# Allegro board RK3588S_Template_LP4XD200P232SD8H2_31X31_2133MHz_H1R6_V11_20220218YWQ.brd (continued)
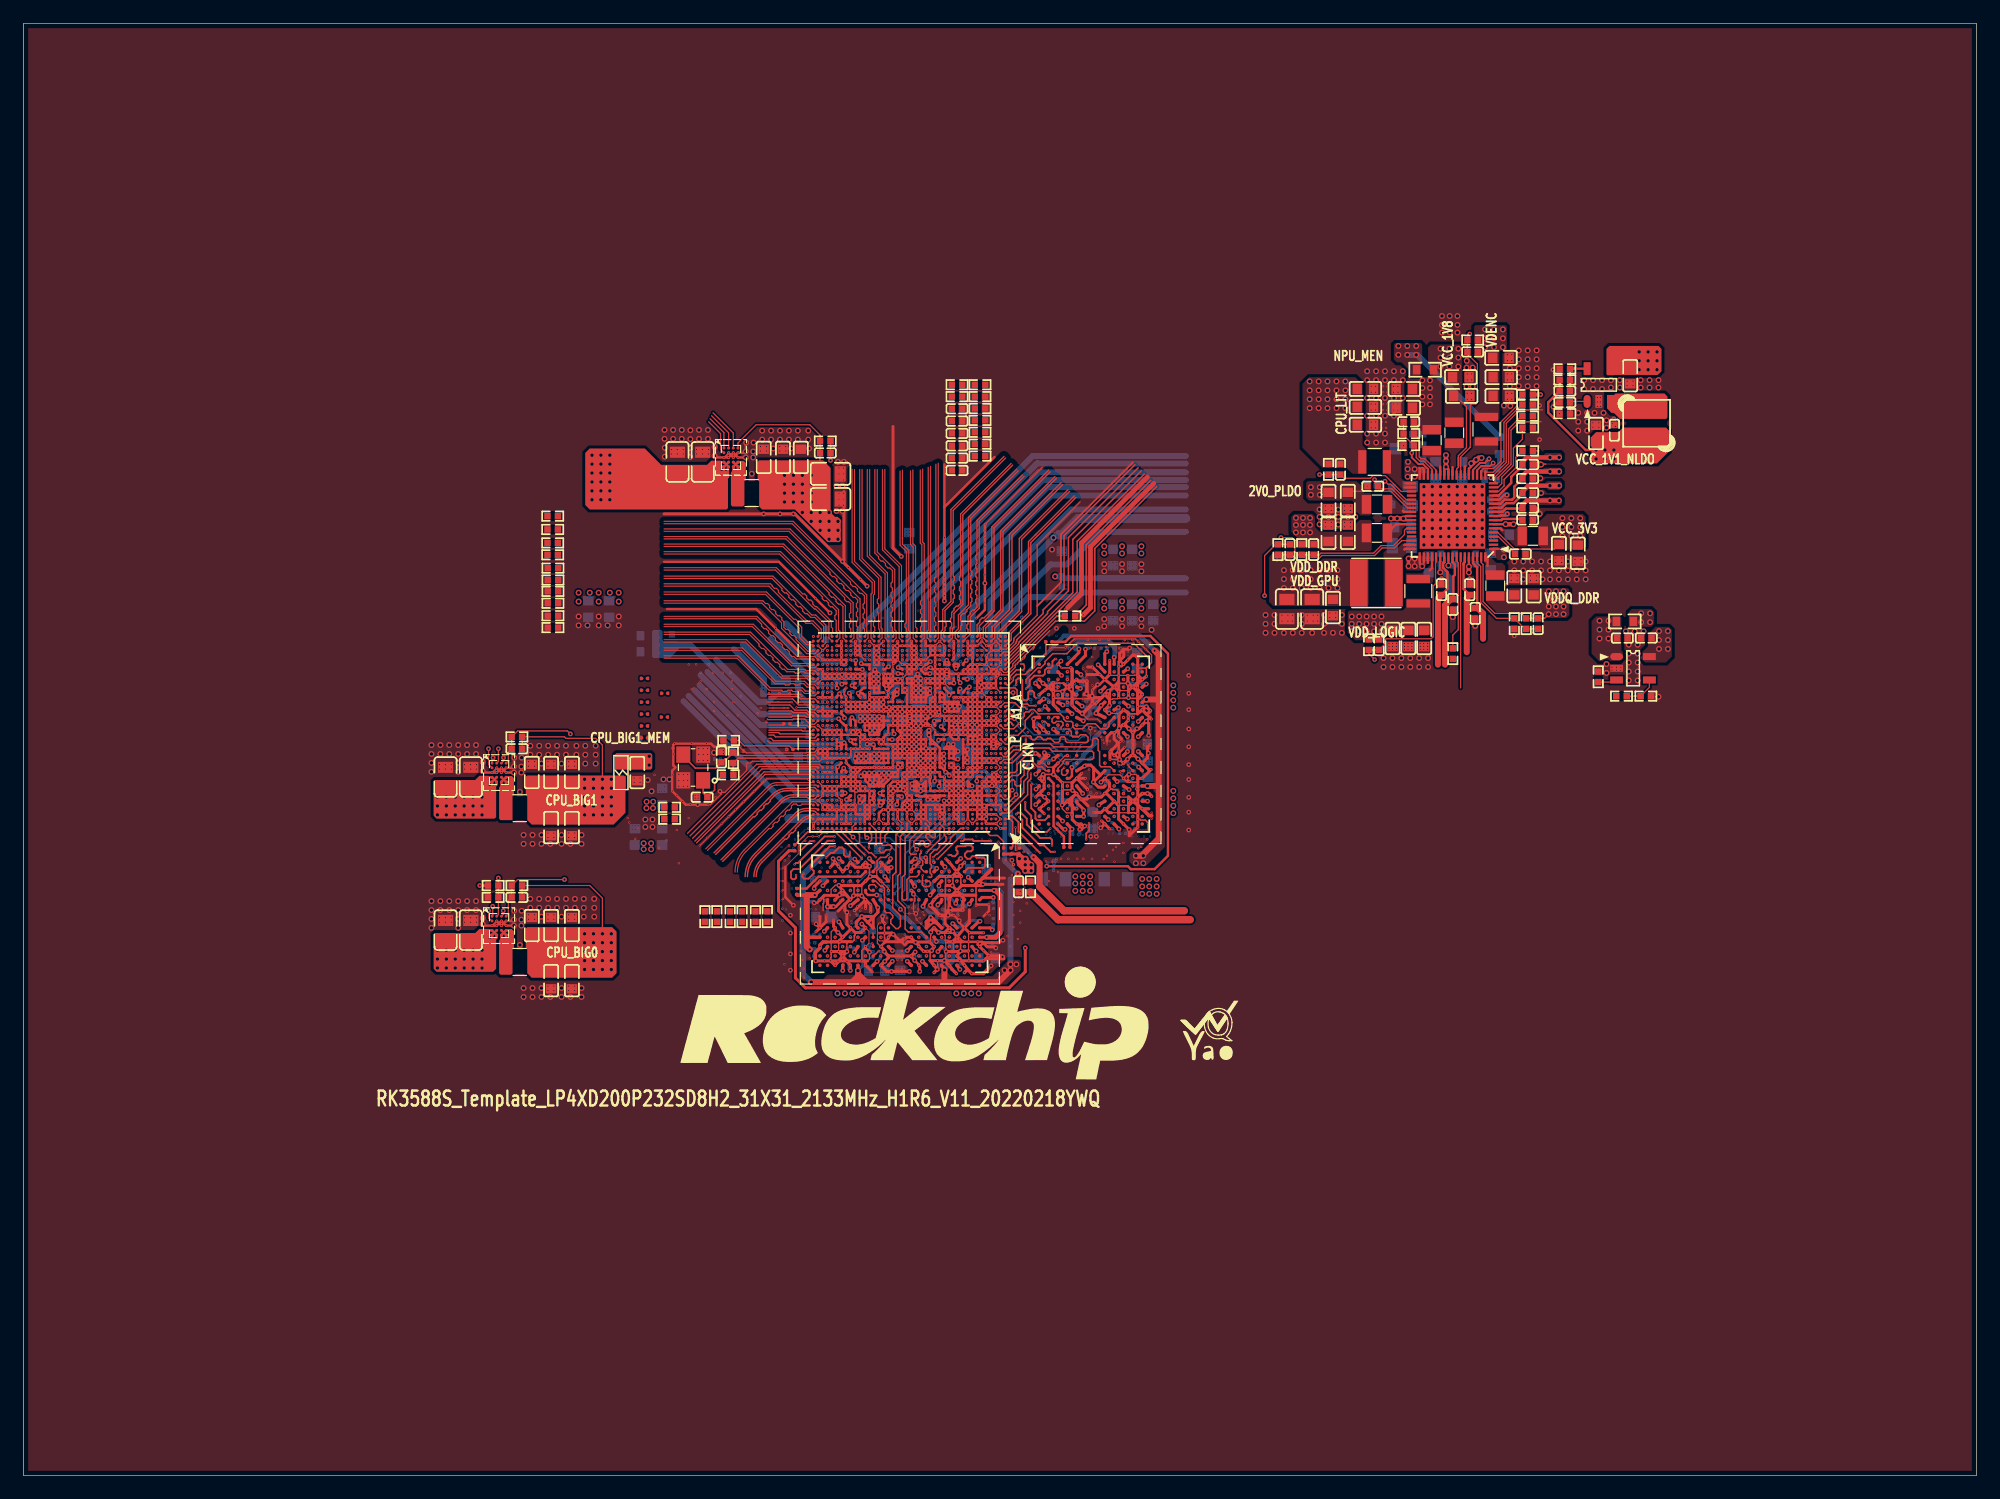
[diagram p0: board, top side]
## Routing (per net, layer and track width the routed paths; a pad name or vN(x,y) marks a point on that pad's centre or on a via; arc(x,y) is an arc through that point) (continued)
PMIC_SW1: length 1.3
  TOP w0.203: 117.98,79.5 118.02,79.54 U2200.50 ; U2200.51 118.05,79.19 117.98,79.12
PMIC_SW2: length 1.1
  TOP w0.203: U2200.36 118,84.44 ; U2200.35 118.06,84.79
PMIC_SW3: length 1.2
  TOP w0.203: U2200.55 120.35,77.55 120.14,77.34
PMIC_SW4: length 0.8
  TOP w0.203: U2200.23 123.15,86.19 123.19,86.23
PMIC_SW5: length 2.4
  TOP w0.203: U2200.45 117.29,81.29 L2200.2
PMIC_SW6: length 0.7
  TOP w0.203: 121.05,86.21 U2200.29
PMIC_SW7: length 0.8
  TOP w0.203: 117.86,82.42 117.94,82.34 U2200.42
PMIC_SW8: length 0.8
  TOP w0.203: U2200.6 126.2,80.94 126.36,80.77
PMIC_SW9: length 0.8
  TOP w0.203: 125.09,77.72 125.09,78.29 U2200.68
PMIC_SW10: length 0.7
  TOP w0.203: 122.1,86.16 U2200.26
PMIC_VDC: length 2.7
  TOP w0.152: U2200.32 120,86.01 119.58,86.42 119.19,86.42 118.62,87 v1(118.62,87.38)
PWRON_L: length 2.5
  TOP w0.102: C2261.1 127.44,78.81 126.01,80.24 U2200.4
RK803_EN1_FLOOD: length 13.7
  L3-S1 w0.076: v2(73.89,70.5) 74.14,70.75 74.14,72.56 73.94,72.77
  L3-S1 w0.102: 73.94,84.04 73.94,72.77
RK803_EN2_PRO: length 14.7
  L3-S1 w0.076: 74.5,72.71 74.5,72.57 75.01,72.06 75.01,70.8 74.85,70.64 74.85,70.34 v2(75.09,70.1)
  L3-S1 w0.102: 74.35,84.4 74.35,72.87 74.5,72.71
RTC_32K_IN: length 13.6
  L3-S1 w0.076: v2(69.09,64.5) 68.72,64.87 66.42,64.87 66.31,64.97 66.24,64.97
  L3-S1 w0.102: 66.24,64.97 65.18,64.97 63.18,66.97 62.88,66.97 60.89,68.96 57.36,68.96
RTC_INT_L: length 13.3
  L3-S1 w0.076: 66.24,63.73 67.92,63.73 68.08,63.58 68.69,63.58 68.92,63.8 69.2,63.8 v2(69.49,64.1)
  L3-S1 w0.102: 66.24,63.73 62.89,63.73 60.64,65.98 57.36,65.98
SARADC_VIN0_BOOT: length 18.4
  L3-S1 w0.076: 77.56,72.95 77.56,72.31 77.89,71.98 77.89,70.9 v2(78.29,70.5)
  L3-S1 w0.102: 77.56,72.95 77.56,73.53 77.32,73.78 77.32,77.46 77.67,77.81 77.67,82.81 76.99,83.5 76.99,88.08
SARADC_VIN1_KEY/RECOVERY: length 18
  L3-S1 w0.076: 79.05,72.57 79.05,71.27 79.09,71.23 v2(79.09,70.88)
  L3-S1 w0.102: 78.8,88.4 78.8,77.5 78.34,77.04 78.34,74.41 79.05,73.7 79.05,72.57
SARADC_VIN3_HP_HOOK: length 18.9
  L3-S1 w0.076: v2(79.09,70.1) 78.72,70.47 78.72,72.46 78.64,72.54 78.64,72.57
  L3-S1 w0.102: 78.28,88.32 78.28,77.56 77.93,77.21 77.93,74.24 78.64,73.53 78.64,72.57
SARADC_VIN4_BATT_TC_L: length 18.1
  L3-S1 w0.076: v2(78.29,70.9) 78.05,71.15 78.05,72.08 77.77,72.36 77.77,72.95
  L3-S1 w0.102: 77.24,88.24 77.24,84.38 77.24,84.38 77.24,83.53 77.88,82.9 77.88,77.73 77.52,77.38 77.52,73.86 77.77,73.62 77.77,72.95
SARADC_VIN5: length 17.6
  L3-S1 w0.076: 78.85,72.57 78.87,72.54 78.87,70.72 v2(79.09,70.5)
  L3-S1 w0.102: 78.85,72.57 78.85,73.61 78.13,74.33 78.13,77.13 78.55,77.54 78.55,87.55
SD_CLK: length 7
  TOP w0.107: 85.72,70.87 85.64,70.79 85.64,70.76 85.3,70.41 84.2,69.32 84.2,69.21 U1000.AR1
  TOP w0.122: 85.72,70.87 86.73,71.88 88.3,73.45 R1320.1
SDIO_CLK_M1: length 1.5
  L3-S1 w0.076: v3(68.56,70.97) 69.09,70.44 v2(69.09,70.1)
  L6-S2 w0.102: v3(68.56,70.97) v4(68.56,71.35)
SDIO_CMD_M1_WIFI: length 10.6
  L3-S1 w0.076: 66.24,71.29 67.97,69.57 68.43,69.57 v2(68.69,69.3)
  L3-S1 w0.102: 66.24,71.29 62.17,75.36 60.62,75.36
SDIO_D0_M1_WIFI: length 12.6
  L3-S1 w0.076: v2(69.09,68.9) 68.85,68.66 67.41,68.66 67.16,68.92 67.16,69.15 66.21,70.1
  L3-S1 w0.102: 58.7,73.44 62.86,73.44 66.21,70.1
SDIO_D1_M1_WIFI: length 13.2
  L3-S1 w0.076: 66.21,69.81 67,69.01 67,68.86 67.35,68.51 69.1,68.51 v2(69.49,68.9)
  L3-S1 w0.102: 58.46,73.2 62.81,73.2 66.21,69.81
SDIO_D2_M1_WIFI: length 10.8
  L3-S1 w0.076: v2(69.09,69.3) 68.67,69.72 68.13,69.72 67.28,70.56 67.26,70.56 66.58,71.24
  L3-S1 w0.102: 60.87,75.62 62.21,75.62 66.58,71.24
SDIO_D3_M1_WIFI: length 10.3
  L3-S1 w0.076: v2(68.27,69.32) 68.25,69.35 67.9,69.35 67.6,69.65 67.52,69.65 66.2,70.96
  L3-S1 w0.102: 66.2,70.96 62.06,75.11 60.36,75.11
SDMMC_CLK: length 14.3
  TOP w0.122: R1320.2 90.8,74.38 90.8,79.52 96.32,85.04
SDMMC_CMD: length 21
  TOP w0.107: U1000.AU1 83.96,69.7 85.24,70.98 85.24,71.02 85.34,71.12
  TOP w0.122: 95.51,85.85 89.66,80 89.66,75.44 86.42,72.2 85.34,71.12
SDMMC_D0: length 21.2
  TOP w0.107: 84.87,71.28 84.81,71.22 84.81,71.13 84.06,70.38 83.77,70.38 U1000.AV2
  TOP w0.122: 94.98,86.38 88.91,80.31 88.91,75.76 87.12,73.97 87.12,73.66 84.87,71.41 84.87,71.28
SDMMC_D1: length 23.3
  TOP w0.107: 85.95,70.77 84.53,69.35 84.53,69.14 84.01,68.62 83.78,68.62 83.78,68.62 83.77,68.62 U1000.AR2
  TOP w0.122: 85.95,70.77 88.19,73.01 90.66,73.01 91.54,73.88 91.54,79.22 96.84,84.52
SDMMC_D2: length 20.8
  TOP w0.107: U1000.AV1 84.07,70.1 85.02,71.05 85.02,71.11 85.09,71.19
  TOP w0.122: 95.24,86.11 89.28,80.15 89.28,75.6 87.5,73.82 87.5,73.66 85.09,71.25 85.09,71.19
SDMMC_D3: length 21.2
  TOP w0.107: 85.56,71.03 85.43,70.9 85.43,70.84 83.89,69.3 U1000.AT1
  TOP w0.122: 95.78,85.58 90.04,79.84 90.04,75.5 86.46,71.92 85.56,71.03
SDMMC_DET_L: length 12.9
  L3-S1 w0.076: v2(69.09,64.1) 69,64.1 68.63,63.73 68.14,63.73 67.94,63.93 66.24,63.93
  L3-S1 w0.102: 66.24,63.93 63.07,63.93 60.72,66.28 57.36,66.28
SDMMC_PWREN: length 13.4
  L3-S1 w0.076: 73.05,72.57 73.05,72.52 73,72.47 73,70.64 73.49,70.14 v2(73.49,70.1)
  L3-S1 w0.102: 73.05,83.29 73.05,72.57
SL_PWREN: length 10.3
  L3-S1 w0.076: v2(68.69,70.5) 68.44,70.5 68.2,70.74 68.2,71.34 66.98,72.57
  L3-S1 w0.102: 66.98,72.57 61.78,77.76
SLEEP1_RESET1_DEVOFF1_VSEL1: length 22.8
  TOP w0.102: 122.79,67.31 122.79,78.11 122.8,78.12 U2200.62
  L3-S1 w0.076: v2(67.89,62.5) 67.86,62.47 66.52,62.47 66.2,62.79
  L3-S1 w0.102: 66.2,62.79 61.61,62.79 60.47,63.93 56.85,63.93
SPI2_CLK_M2: length 12.2
  L3-S1 w0.076: 66.24,63.32 67.83,63.32 68.04,63.12 68.45,63.12 68.67,62.9 v2(68.69,62.9)
  L3-S1 w0.102: 66.24,63.32 62.11,63.32 60.48,64.95 57.36,64.95
SPI2_MOSI_M2: length 13.5
  TOP w0.102: R1116.1 129.48,87.56
  L3-S1 w0.076: v2(68.69,62.5) 68.32,62.13 66.39,62.13 66.14,62.38
  L3-S1 w0.102: 66.14,62.38 61.44,62.38 60.4,63.42 56.34,63.42
SPI4_MISO_M2_TP: length 10
  L3-S1 w0.076: 66.2,57.25 66.59,57.64 68.24,57.64 v2(68.29,57.7)
  L3-S1 w0.102: 62.56,51.01 62.56,53.61 66.2,57.25
SPI4_MOSI_M2_TP: length 12.5
  L3-S1 w0.076: 66.24,59.08 68,59.08 68.22,59.3 v2(68.29,59.3)
  L3-S1 w0.102: 61.16,51.01 61.16,53.94 65.01,57.78 65.01,58.1 65.99,59.08 66.24,59.08
SPK_CTL_H: length 19.5
  L3-S1 w0.076: v2(78.29,69.7) 78.44,69.84 78.44,70.28 78.57,70.42 78.57,72.31 78.44,72.44 78.44,72.57
  L3-S1 w0.102: 78.44,72.57 78.44,73.45 77.73,74.16 77.73,77.29 78.08,77.65 78.08,82.98 77.5,83.56 77.5,88.34
TP_INT_L: length 7.5
  L3-S1 w0.076: v2(68.29,56.47) 67.38,56.47 66.24,55.34 66.24,55.28
  L3-S1 w0.102: 64.57,51.01 64.57,53.61 66.24,55.28
TP_RST_L: length 13.5
  L3-S1 w0.076: 66.24,59.77 66.61,59.77 66.97,60.12 68.15,60.12 68.57,59.7 v2(68.69,59.7)
  L3-S1 w0.102: 59.26,52.16 59.26,53.21 64.86,58.82 65.81,59.77 66.24,59.77
TSADC_SHUT: length 12.5
  L3-S1 w0.076: 66.24,64.16 66.32,64.08 68,64.08 68.2,63.88 68.47,63.88 v2(68.69,64.1)
  L3-S1 w0.102: 57.36,66.59 60.79,66.59 63.22,64.16 66.24,64.16
TYPEC0_DP0_REXT: length 1.7
  L3-S1 w0.076: v2(79.89,70.5) 79.65,70.74 79.65,71.48 79.62,71.51 79.62,71.62 v3(79.67,71.68)
  L6-S2 w0.102: v4(79.38,71.86) 79.5,71.86 v3(79.67,71.68)
TYPEC0_OTG_DM: length 3.4
  L3-S1 w0.069: v2(80.29,70.9) 80.22,70.97 80.22,74.1 80.34,74.22
TYPEC0_OTG_DP: length 3.5
  L3-S1 w0.069: 80.15,74.27 80.05,74.17 80.05,71.06 v2(79.89,70.9)
TYPEC0_OTG_VBUSDET: length 19.7
  L3-S1 w0.076: 79.27,72.57 79.27,72.48 79.2,72.41 79.2,71.33 79.34,71.19 79.34,70.14 79.71,69.77 79.96,69.77 80.29,70.1 v2(80.29,70.1)
  L3-S1 w0.102: 79.27,72.57 79.27,73.76 79.05,73.98 79.05,88.44
TYPEC0_SBU1: length 19
  L3-S1 w0.102: 81.26,89.97 81.26,73.96 80.82,73.51 80.82,71.58 81.09,71.31 v2(81.09,71.3)
TYPEC0_SBU1_DC: length 17.5
  L3-S1 w0.076: 76.23,72.95 76.44,72.74 76.44,71.18 76.3,71.03 76.3,70.5 v2(76.69,70.1)
  L3-S1 w0.102: 75.72,86.75 75.72,81.66 76.45,80.93 76.45,78.32 76.1,77.97 76.1,73.08 76.23,72.95
TYPEC0_SBU2: length 18.6
  L3-S1 w0.102: 81.51,90.07 81.51,73.86 81.06,73.41 81.06,71.73 v2(81.09,71.7)
TYPEC0_SBU2_DC: length 17.4
  L3-S1 w0.076: v2(77.09,70.5) 77.44,70.84 77.44,71.79 76.95,72.28 76.95,72.95
  L3-S1 w0.102: 76.95,72.95 76.95,73.29 76.71,73.52 76.71,77.71 77.06,78.07 77.06,81.18 76.33,81.91 76.33,87.01
TYPEC0_SSRX1N: length 16.2
  TOP w0.102: 85.5,85.37 81.66,81.53 81.66,74.1 80.9,73.34 80.9,71.91 U1000.BA10
TYPEC0_SSRX1P: length 16.6
  TOP w0.102: 85.36,85.5 81.47,81.61 81.47,78.69 81.37,78.6 81.37,78.32 81.47,78.22 81.47,77.94 81.37,77.85 81.37,77.57 81.47,77.47 81.47,77.19 81.37,77.09 81.37,76.82 81.47,76.72 81.47,76.44 81.37,76.34 81.37,76.06 81.47,75.97 81.47,75.69 81.37,75.59 81.37,75.31 81.47,75.22 81.47,74.94 81.37,74.84 81.37,74.56 81.47,74.46 81.47,74.18 81.24,73.95 81.1,73.95 80.9,73.76 80.9,73.62 80.71,73.42 80.71,72.77 80.61,72.67 80.61,72.4 80.71,72.3 80.71,72.02 80.39,71.7 U1000.BB10
TYPEC0_SSRX2N: length 17.3
  TOP w0.102: 84.52,86.34 80.26,82.08 80.26,74.43 79.5,73.67 79.5,72.49 79.37,72.36 79.37,71.58 U1000.BA13
TYPEC0_SSRX2P: length 17.4
  TOP w0.102: U1000.BB13 79.18,71.78 79.18,72.44 79.31,72.57 79.31,72.85 79.21,72.95 79.21,73.23 79.31,73.32 79.31,73.75 79.51,73.95 79.51,74.09 79.71,74.29 79.84,74.29 80.07,74.51 80.07,74.79 79.97,74.89 79.97,75.17 80.07,75.26 80.07,75.54 79.97,75.64 79.97,75.92 80.07,76.02 80.07,76.4 79.98,76.49 79.98,76.8 80.07,76.89 80.07,82.16 84.39,86.48
TYPEC0_SSTX1N: length 17
  TOP w0.102: 84.87,85.99 80.74,81.87 80.74,74.39 79.88,73.53 79.88,72.36 79.61,72.09 79.61,71.58 U1000.BA11
TYPEC0_SSTX1P: length 16.8
  TOP w0.102: U1000.BB11 79.81,71.78 79.81,72.02 80.08,72.28 80.08,72.56 80.17,72.66 80.17,72.94 80.08,73.04 80.08,73.45 80.27,73.65 80.41,73.65 80.61,73.85 80.61,73.98 80.94,74.31 80.94,74.59 81.03,74.69 81.03,74.97 80.94,75.07 80.94,75.35 81.03,75.44 81.03,75.72 80.94,75.82 80.94,76.1 81.03,76.19 81.03,76.47 80.94,76.57 80.94,76.85 81.03,76.95 81.03,77.23 80.94,77.32 80.94,81.79 85,85.86
TYPEC0_SSTX2N: length 18.1
  TOP w0.102: U1000.BA14 78.49,71.51 78.49,71.51 78.41,71.58 78.41,71.82 78.42,71.82 78.42,72.15 78.55,72.28 78.55,73.99 79.25,74.7 79.25,82.55 83.78,87.08
TYPEC0_SSTX2P: length 17.8
  TOP w0.102: 83.92,86.94 79.44,82.47 79.44,76.87 79.54,76.77 79.54,76.49 79.44,76.4 79.44,76.12 79.54,76.02 79.54,75.74 79.44,75.65 79.44,75.37 79.54,75.27 79.54,74.99 79.44,74.89 79.44,74.62 78.74,73.91 78.74,72.95 78.84,72.85 78.84,72.57 78.74,72.48 78.74,72.2 78.61,72.07 78.61,71.78 U1000.BB14
TYPEC0_USB20_OTG_ID: length 0.7
  L3-S1 w0.102: v3(80.59,70.5) v2(80.29,70.5)
  L6-S2 w0.102: v3(80.59,70.5) 80.45,70.64 v4(80.45,70.87)
UART2_RX_M0: length 12.9
  L3-S1 w0.076: 66.48,66.48 66.81,66.15 68.24,66.15 v2(68.29,66.1)
  L3-S1 w0.102: 66.48,66.48 66.37,66.48 61.89,70.96 57.36,70.96
UART2_TX_M0: length 13.4
  L3-S1 w0.076: 66.55,66.66 66.89,66.32 68.38,66.32 68.6,66.1 v2(68.69,66.1)
  L3-S1 w0.102: 57.36,71.16 61.98,71.16 66.48,66.66 66.55,66.66
UART9_CTSN_M2_BT: length 12.5
  L3-S1 w0.076: 71.99,72.57 71.99,72.18 71.74,71.93 71.74,71.05 v2(71.89,70.9)
  L3-S1 w0.102: 71.99,72.57 71.99,75.22 71.53,75.68 71.53,83.03
UART9_RTSN_M2_BT: length 12.8
  L3-S1 w0.076: 72.21,72.57 72.21,72.18 71.9,71.87 71.9,71.3 v2(72.29,70.9)
  L3-S1 w0.102: 71.73,83.17 71.73,75.77 72.21,75.29 72.21,72.57 72.21,72.57
UART9_RX_M2_BT: length 13
  L3-S1 w0.076: v2(71.89,70.1) 71.44,70.55 71.44,72.06 71.57,72.2 71.57,72.57
  L3-S1 w0.102: 71.57,72.57 71.57,75.06 71.12,75.51 71.12,82.66
UART9_TX_M2_BT: length 12.5
  L3-S1 w0.076: v2(72.29,70.5) 72.54,70.75 72.54,72.4 72.44,72.51 72.44,72.57
  L3-S1 w0.102: 72.44,82.83 72.44,72.57
USB20_HOST0_DM: length 5.6
  L3-S1 w0.069: 85.03,74.36 82.5,71.83 82.5,70.64 82.12,70.26 82.05,70.26 v2(81.89,70.1)
USB20_HOST0_DP: length 5.3
  L3-S1 w0.069: v2(81.89,70.5) 81.96,70.43 82.05,70.43 82.33,70.71 82.33,71.9 84.85,74.42
USB20_HOST1_DM: length 3.8
  L3-S1 w0.069: 82.8,73.75 81.56,72.51 81.56,71.06 81.44,70.94 81.44,70.55 v2(81.48,70.51)
USB20_HOST1_DP: length 4.4
  L3-S1 w0.069: 82.62,73.81 81.39,72.58 81.39,71.13 81.27,71.01 81.27,70.32 v2(81.48,70.1)
USB30_2_SSRXN: length 7.5
  TOP w0.112: U1000.C42 67.45,56.14 arc(67.38,56.19) 67.31,56.2 arc(66.93,56.12) 66.6,55.91 65.97,55.28 65.97,55.15 65.75,54.93 65.63,54.93 65.41,54.72 65.41,54.59 65.2,54.38 65.07,54.38 63.13,52.44 arc(62.75,51.86) 62.61,51.18
USB30_2_SSRXP: length 7.6
  TOP w0.112: U1000.D42 67.44,56.45 arc(67.38,56.41) 67.31,56.4 arc(66.85,56.31) 66.46,56.05 63.61,53.2 62.99,52.58 arc(62.57,51.94) 62.42,51.18
USB30_2_SSTXN: length 8.9
  TOP w0.112: U1000.D41 67.66,56.73 arc(67.58,56.78) 67.5,56.8 66.85,56.8 arc(66.47,56.72) 66.14,56.51 66.07,56.44 62.6,52.97 arc(62.05,52.15) 61.86,51.18
USB30_2_SSTXP: length 9.2
  TOP w0.112: U1000.E41 arc(67.79,56.97) 67.66,57 66.85,57 arc(66.39,56.9) 66,56.64 65.6,56.24 62.46,53.11 arc(61.87,52.22) 61.67,51.18
USB_AVDD_1V8: length 3.7
  TOP w0.203: 78.91,69.65 79.09,69.47 U1000.AT13 U1000.AT14 78.69,69.5 78.84,69.65 78.91,69.65 ; 78.91,69.65 v1(78.89,69.67)
  BOTTOM w0.305: v1(78.89,69.67) 78.61,69.67 C1406.1 78.55,69.74 78.55,70.1
  BOTTOM w0.508: R1402.1 R1401.1 78.55,70.6 78.55,70.1
USB_HOST_PWREN_H: length 18.6
  L3-S1 w0.076: v2(75.09,69.7) 75.34,69.46 75.6,69.46 76.14,70 76.14,71.09 76.29,71.24 76.29,72.62 75.95,72.96
  L3-S1 w0.102: 75.95,72.96 75.9,73.01 75.9,78.05 76.25,78.4 76.25,80.72 75.51,81.46 75.51,86.53
VSEL2: length 13.8
  TOP w0.104: v1(40.09,48.64) 40.09,47.84 U2300.A1
  L3-S1 w0.076: v2(68.69,64.5) 68.47,64.72 66.34,64.72 66.28,64.77
  L3-S1 w0.102: 57.36,68.25 61.02,68.25 64.5,64.77 66.28,64.77
VSEL3: length 16.3
  TOP w0.102: 58.67,90.3 59.85,89.12 U2302.A1
  L3-S1 w0.076: 66.21,68.95 67.1,68.05 68.74,68.05 v2(69.09,67.7)
  L3-S1 w0.102: 57.85,72.59 62.56,72.59 66.21,68.95
VSEL4: length 14.8
  L3-S1 w0.076: v2(69.89,65.7) 69.89,65.68 69.24,65.02 66.48,65.02 66.33,65.18 66.24,65.18
  L3-S1 w0.102: 66.24,65.18 65.9,65.18 61.34,69.74 57.36,69.74
VSEL5: length 13.9
  L3-S1 w0.076: 66.65,66.85 67.03,66.47 68.45,66.47 68.6,66.32 68.87,66.32 v2(69.09,66.1)
  L3-S1 w0.102: 57.36,71.36 62.06,71.36 66.57,66.85 66.65,66.85
VSEL6: length 4.6
  TOP w0.102: 63.69,66.35 65.73,66.35 66.23,65.85 67.34,65.85 U1000.AG42
  TOP w0.104: v1(40.13,61.34) 40.13,61.21 40.04,61.12 U2301.A1
WIFI_REG_ON_H: length 13
  L3-S1 w0.076: 66.21,68.08 67.21,67.08 68.07,67.08 v2(68.29,67.3)
  L3-S1 w0.102: 66.21,68.08 62.32,71.97 57.36,71.97
WIFI_WAKE_HOST_H: length 13.7
  L3-S1 w0.076: 65.99,62.18 66.09,62.18 66.29,61.98 67.47,61.98 68.56,61.97 v2(69.09,62.5)
  L3-S1 w0.102: 65.99,62.18 61.36,62.18 60.34,63.19 56.11,63.19
XIN: length 12.9
  TOP w0.102: 67.01,61.58 67.61,61.58 U1000.T41
  TOP w0.127: Y1100.3 56.38,61.48 57.4,60.45 59.15,60.45 C1112.1 59.94,61.25 60.12,61.25 R1102.2 60.91,61.53 66.96,61.53 67.01,61.58
XOUT: length 8
  TOP w0.127: R1100.2 60.66,59.88 R1102.1 61.07,61.3 67.49,61.3 U1000.T42
N29482643: length 0.8
  L3-S1 w0.064: v3(73.6,50.26) 73.34,50 73.33,50 73.29,49.96 v2(73.28,49.96)
  L6-S2 w0.066: v4(73.91,50.31) 73.64,50.31 v3(73.6,50.26)
N29482645: length 0.8
  L3-S1 w0.064: v2(73.29,49.23) 73.3,49.24 73.3,49.25 73.5,49.45 v3(73.51,49.45)
  L6-S2 w0.066: v4(73.83,49.77) v3(73.51,49.45)
N29482655: length 6.5
  TOP w0.203: R3803.1 66.92,50.16 67.93,51.18 71.53,51.18 U3801.T2
N29482661: length 0.8
  TOP w0.279: v1(78.03,51.89) 78.03,51.83 U3801.G2
  BOTTOM w0.254: v1(78.03,51.89) 77.86,51.89 R3802.2
N29482667: length 1.7
  TOP w0.254: U3801.A5 81.91,49.4 v1(82.87,49.4)
  BOTTOM w0.305: R3805.2 82.86,49.4 v1(82.87,49.4)
N29482669: length 1.6
  TOP w0.254: U3801.A8 82.61,46.8 82.78,46.63 v1(82.78,46.63)
  BOTTOM w0.305: v1(82.78,46.63) 82.86,46.71 R3807.2
N29584131: length 1
  L3-S1 w0.064: v3(89.54,64.18) 89.44,64.07 v2(89.22,64.07)
  L6-S2 w0.066: v3(89.54,64.18) 89.54,64.15 v4(89.95,63.74)
N29584146: length 0.8
  L3-S1 w0.064: v2(89.99,64.12) 90.14,63.97 v3(90.35,63.97)
  L6-S2 w0.066: v3(90.35,63.97) 90.59,63.74 v4(90.61,63.74)
N29609736: length 1
  L3-S1 w0.064: v2(76.5,50) 76.56,49.95 v3(76.56,49.65)
  L6-S2 w0.066: v4(76.12,49.24) 76.53,49.65 v3(76.56,49.65)
N29609761: length 0.8
  L3-S1 w0.064: v2(76.5,49.2) 76.5,48.99 v3(76.35,48.84)
  L6-S2 w0.066: v4(76.12,48.58) 76.12,48.61 v3(76.35,48.84)
N30600922: length 2.7
  TOP w0.119: R1202.1 83.75,54.17 83.23,54.69 82.6,54.69 82.29,55 U1000.A5
N30600936: length 6.2
  TOP w0.122: U1000.AM1 84.03,67.56 84.2,67.56 84.58,67.94 84.58,68.2 84.84,68.45 85.6,68.45 85.98,68.83 86.13,68.83 86.34,69.04 86.34,69.81 86.46,69.93 87.07,69.93 87.36,70.22 R1200.1
N30601110: length 3
  TOP w0.122: U1000.C1 84.29,56.1 84.52,55.86 84.52,53.75 R1201.1
N30601240: length 3
  TOP w0.122: U1000.A40 68.29,55.29 67.99,54.99 67.01,54.99 R1203.1
N30910269: length 2.5
  TOP w0.203: U2200.8 126.26,81.64 126.37,81.74 127.99,81.74 C2265.1
N30961579: length 7
  TOP w0.203: 61.59,86.49 61.49,86.59 61.05,86.59 U2302.D4 60.65,86.2 U2302.E3 60.65,84.33 61.03,83.95 61.05,83.97 U2302.E4 ; U2302.E4 60.65,86.59 U2302.D3 ; U2302.E4 61.51,86.19 61.59,86.11
N30962042: length 2.4
  TOP w0.102: R2305.2 C2329.1 132.24,91.78 U2303.1
N30962062: length 3.4
  TOP w0.203: U2303.5 132.16,94.58 R2307.1 R2306.2 C2326.2
N30962978: length 7
  TOP w0.203: U2301.E4 41.24,57.05 41.22,57.02 40.84,57.4 U2301.E3 U2301.D4 41.68,59.67 41.78,59.56 ; U2301.E4 U2301.D3 ; U2301.E4 41.69,59.27 41.78,59.18
N30963105: length 7
  TOP w0.203: U2300.D3 U2300.E4 ; U2300.E4 41.69,46.19 41.78,46.1 ; U2300.E4 41.24,43.96 41.22,43.94 40.84,44.32 U2300.E3 U2300.D4 41.68,46.59 41.78,46.48
N31111434: length 3.9
  TOP w0.107: 63.69,63.69 66.48,63.69 66.56,63.62 67.41,63.62 U1000.AB42
N31111436: length 4
  TOP w0.107: U1000.AD42 67.19,64.81 66.89,64.81 66.8,64.9 65.71,64.9 65.63,64.82 63.69,64.82
N31111592: length 2.6
  TOP w0.107: U1000.AB41 67.61,63.98 67.08,63.98 66.96,64.1 65.61,64.1 R1309.1
N32124849: length 2.9
  TOP w0.102: U2304.4 138.92,67.35 R2310.1 R2309.2
N32124977: length 1.6
  TOP w0.102: U2304.3 135.94,67.8 R2311.1
N63380616: length 1.6
  L3-S1 w0.064: v2(89.97,60.91) 89.95,60.93 89.94,60.93 89.74,61.12 v3(89.74,61.13)
  L6-S2 w0.066: v4(89.43,61.45) v3(89.74,61.13)
  BOTTOM w0.122: v4(89.43,61.45) 88.8,61.45 R3813.1
N63380618: length 1.4
  L3-S1 w0.064: v2(89.23,60.9) 89.23,60.91 89.19,60.95 89.19,60.96 v3(88.93,61.22)
  L6-S2 w0.066: v4(89.09,62.07) 89.09,61.38 v3(88.93,61.22)
N63380732: length 6.4
  TOP w0.203: R3801.1 88.9,53.97 88.9,53.98 88.9,54.61 88.01,55.5 88.01,59.15 U3800.T2
N63380738: length 1.1
  TOP w0.279: v1(87.3,65.72) 87.3,65.72 U3800.G2
  BOTTOM w0.254: R3800.2 86.97,65.39 v1(87.3,65.72)
N63380744: length 1.9
  TOP w0.254: v1(90.74,70.61) 90.74,70.07 U3800.A5
  BOTTOM w0.254: v1(90.74,70.61) 90.81,70.68 R3804.2
N63380746: length 1.4
  TOP w0.254: U3800.A8 92.39,70.23 92.56,70.4 v1(92.56,70.4)
  BOTTOM w0.254: R3806.2 92.61,70.45 v1(92.56,70.4)
N64919975: length 4
  TOP w0.127: Y1100.1 58.08,58.32 C1111.1 59.05,58.58 59.05,59.17 R1100.1

## Copper pours and planes (outline as drawn; the poured copper is in the pictures)
GND on TOP: 0.41,0.41 0.41,123.67 166.47,123.67 166.47,0.41 ; 1 cut-out
GND on TOP: 126.24,94.87 126.24,91.95 127.13,91.06 127.51,91.06 127.63,91.19 127.63,94.74 127.38,95 126.36,95
GND on BOTTOM: 0.41,0.41 0.41,123.67 166.47,123.67 166.47,0.41 ; 2 cut-outs
GND on L2-GND1, L3-S1, L4-POWER1, L6-S2, L7-GND2: 0.41,0.41 0.41,123.67 166.47,123.67 166.47,0.41
GND on L5-POWER2: 0.41,0.41 0.41,123.67 166.47,123.67 166.47,0.41 ; 1 cut-out
VCC1V8_PMU_DDR_S3 on TOP: 67.18,41.91 83.95,41.91 85.22,43.18 85.22,43.94 85.09,44.07 84.2,44.07 82.8,42.67 79.25,42.67 78.87,43.05 78.49,43.05 78.1,42.67 71.88,42.67 71.5,43.05 71.12,43.05 70.87,42.8 68.71,42.8 68.33,42.42 67.18,42.42 67.06,42.29 67.06,42.04
VCC1V8_PMU_DDR_S3 on TOP: 119.38,94.87 119.38,94.11 119.25,93.98 118.62,93.98 118.36,94.23 118.36,94.49 117.73,95.12 117.35,95.12 117.09,95.38 117.09,96.65 117.22,96.77 119.38,96.77 119.51,96.65 119.51,95
VCC1V8_PMU_DDR_S3 on TOP: 97.66,70.1 97.66,53.85 95.88,52.07 94.87,52.07 94.49,52.45 94.49,53.09 94.74,53.34 95.5,53.34 96.77,54.61 96.77,58.29 96.14,58.93 96.14,59.56 96.65,60.07 96.65,65.41 96.01,66.04 96.01,66.55 96.27,66.8 96.27,68.96 96.65,69.34 96.65,70.1 96.39,70.36 96.39,70.61 96.52,70.74 97.03,70.74
VCC1V8_PMU_DDR_S3 on BOTTOM: 88.25,65.09 86.98,66.36 86.67,66.36 86.36,66.67 85.98,66.67 85.6,67.06 85.6,68.83 88.77,72.01 95.63,72.01 96.9,70.74 96.9,70.48 96.77,70.36 96.39,70.36 95.12,71.63 90.04,71.63 89.92,71.5 89.15,71.5 86.11,68.45 86.11,67.56 86.36,67.31 86.92,67.31 88.88,65.34 89.26,65.34 89.26,65.09
VCC1V8_PMU_DDR_S3 on BOTTOM: 95.12,58.67 94.74,59.05 93.34,59.05 93.22,59.18 93.22,59.44 93.34,59.56 95.12,59.56 95.63,60.07 96.52,60.07 96.52,58.93 96.27,58.67
VCC1V8_PMU_DDR_S3 on BOTTOM: 67.44,41.91 67.06,41.91 66.29,42.67 66.29,51.56 68.45,53.72 70.61,53.72 71.25,53.09 71.25,52.55 71.12,52.42 70.87,52.42 70.72,52.56 70.5,52.56 70.36,52.7 70.36,52.96 70.23,53.09 68.71,53.09 66.93,51.31 66.93,43.94 67.56,43.31 67.56,42.04
VCC1V8_PMU_DDR_S3 on BOTTOM: 79.12,44.07 79.12,45.1 78.87,45.36 77.45,45.36 75.44,47.37 74.7,47.37 72.77,49.3 72.77,49.66 72.9,49.78 73.02,49.78 73.15,49.66 73.41,49.66 73.41,49.42 74.93,47.9 75.56,47.9 77.34,46.12 79.25,46.12 79.5,45.87 79.5,43.69 78.87,43.05 78.6,43.05 78.48,43.18 78.48,43.31 78.61,43.44 78.61,43.56
VCC1V8_PMU_DDR_S3 on BOTTOM: 89.53,60.2 89.41,60.33 89.41,60.58 89.53,60.71 89.53,60.96 89.92,61.34 90.08,61.34 91.29,62.55 91.29,63.19 93.22,65.11 93.22,65.66 93.47,65.91 93.47,66.54 93.47,66.54 93.47,66.67 94.11,67.31 95.76,67.31 96.14,66.93 96.14,66.17 96.01,66.04 95.88,66.04 95.73,66.19 95.48,66.19 95.25,66.42 95.25,66.55 95.06,66.74 94.28,66.74 94.1,66.56 94.1,66.55 93.98,66.43 93.98,65.28 93.6,64.9 93.47,64.9 91.69,63.12 91.69,62.19 89.9,60.39 89.86,60.39 89.66,60.2
VCC1V8_PMU_DDR_S3 on BOTTOM: 85.22,55.12 85.22,57.53 85.63,57.94 85.63,58.26 86.23,58.87 86.55,58.87 86.61,58.8 86.61,58.55 86.36,58.29 86.36,58.04 85.98,57.66 85.98,56.77 86.11,56.64 86.11,55.5 87.5,54.1 96.14,54.1 96.27,53.98 96.27,52.2 96.14,52.07 89.28,52.07 88.07,53.28 87.06,53.28
VCC1V8_PMU_DDR_S3 on BOTTOM: 83.57,42.8 83.44,42.93 83.44,43.31 84.07,43.94 84.07,50.29 82.93,51.44 82.93,52.32 82.04,53.21 79.88,53.21 79.63,52.96 79.63,52.22 77.72,50.31 77.72,49.93 77.47,49.93 77.47,50.95 78.23,51.71 78.23,52.45 79.76,53.98 82.55,53.98 83.57,52.96 83.57,52.2 84.96,50.8 84.96,43.18 84.58,42.8
VCC1V8_PMU_DDR_S3 on BOTTOM: 70.99,42.93 70.99,43.94 71.5,44.45 71.5,45.87 71.62,45.98 71.76,45.98 71.88,45.87 71.88,44.34 71.87,44.33 71.88,44.32 71.88,44.07 72.26,43.69 72.52,43.69 72.64,43.56 72.64,42.67 71.25,42.67
VCC1V8_PMU_DDR_S3 on L3-S1: 100.84,53.59 100.84,89.66 106.55,95.38 119.25,95.38 119.51,95.63 119.51,98.04 119,98.55 103.12,98.55 97.41,92.84 97.41,54.86 95.76,53.21 94.61,53.21 93.15,51.75 89.09,51.75 85.6,48.26 85.6,45.72 83.31,43.43 83.31,42.93 83.57,42.67 87.12,42.67 87.38,42.93 87.38,47.62 88.01,48.26 94.11,48.26 94.87,49.02 94.87,51.05 95.38,51.56 98.81,51.56
VCC_1V1_NLDO_S3 on TOP (solid shape): 140.59,89.28 140.59,87.5 139.57,86.49 134.24,86.49 133.98,86.74 133.98,88.77 134.37,89.15 135.12,89.15 135.13,89.15 135.25,89.13 135.38,89.15 135.39,89.15 136.27,89.15 136.65,89.53 140.33,89.53
VCC_1V1_NLDO_S3 on L3-S1: 130.94,89.03 135.64,89.03 136.27,88.39 136.27,86.61 135.76,86.11 134.62,86.11 129.29,80.77 126.24,80.77 126.11,80.9 126.11,84.2
VCC_1V8_S0 on BOTTOM (solid shape): 65.53,68.2 65.53,67.56 63.88,67.56 63.88,68.2 64.01,68.33 65.4,68.33
VCC_1V8_S0 on BOTTOM (solid shape): 71.5,58.16 71.6,58.14 71.7,58.16 71.71,58.17 71.75,58.17 72.01,57.91 72.01,57.81 71.97,57.74 71.95,57.68 71.95,57.56 72,57.45 72.01,57.44 72.01,57.4 72.14,57.28 72.39,57.28 72.52,57.4 73.28,57.4 73.41,57.28 73.41,57.15 73.28,57.02 73.02,57.02 71.75,55.75 69.98,55.75 69.85,55.88 69.85,56.39 69.98,56.51 70.66,56.51 70.71,56.5 70.75,56.49 70.86,56.49 70.91,56.5 70.97,56.52 71.12,56.52 71.25,56.64 71.25,57.6 71.27,57.63 71.27,57.84 71.25,57.86 71.25,58.04 71.37,58.17 71.5,58.17
VCC_1V8_S3 on TOP: 121.41,89.79 121.41,93.73 121.16,93.98 120.27,93.98 120.14,94.11 120.14,94.87 120.01,95 120.01,96.39 120.27,96.65 122.68,96.65 122.94,96.39 122.94,91.31 123.06,91.19 123.06,89.92 122.94,89.79
VCC_2V0_PLDO_S3 on TOP: 115.19,82.17 115.06,82.04 114.17,82.04 114.05,82.17 113.92,82.17 113.79,82.3 113.79,83.06 113.54,83.31 109.85,83.31 109.6,83.57 109.6,84.84 109.73,84.96 113.92,84.96 114.3,84.58 114.3,84.2 114.55,83.95 115.06,83.95 115.19,83.82
VCC_2V0_PLDO_S3 on L6-S2: 119.13,79.38 119.76,78.74 121.54,78.74 122.3,77.98 122.3,76.45 122.05,76.2 118.36,76.2 117.28,77.28 117.28,79.31 113.54,83.06 110.11,83.06 109.73,83.44 109.73,84.71 109.85,84.84 114.55,84.84 116.71,82.68 118.36,82.68 119.13,81.91